# Allegro board REF_038HX-888005K4R-A100.brd (continued)
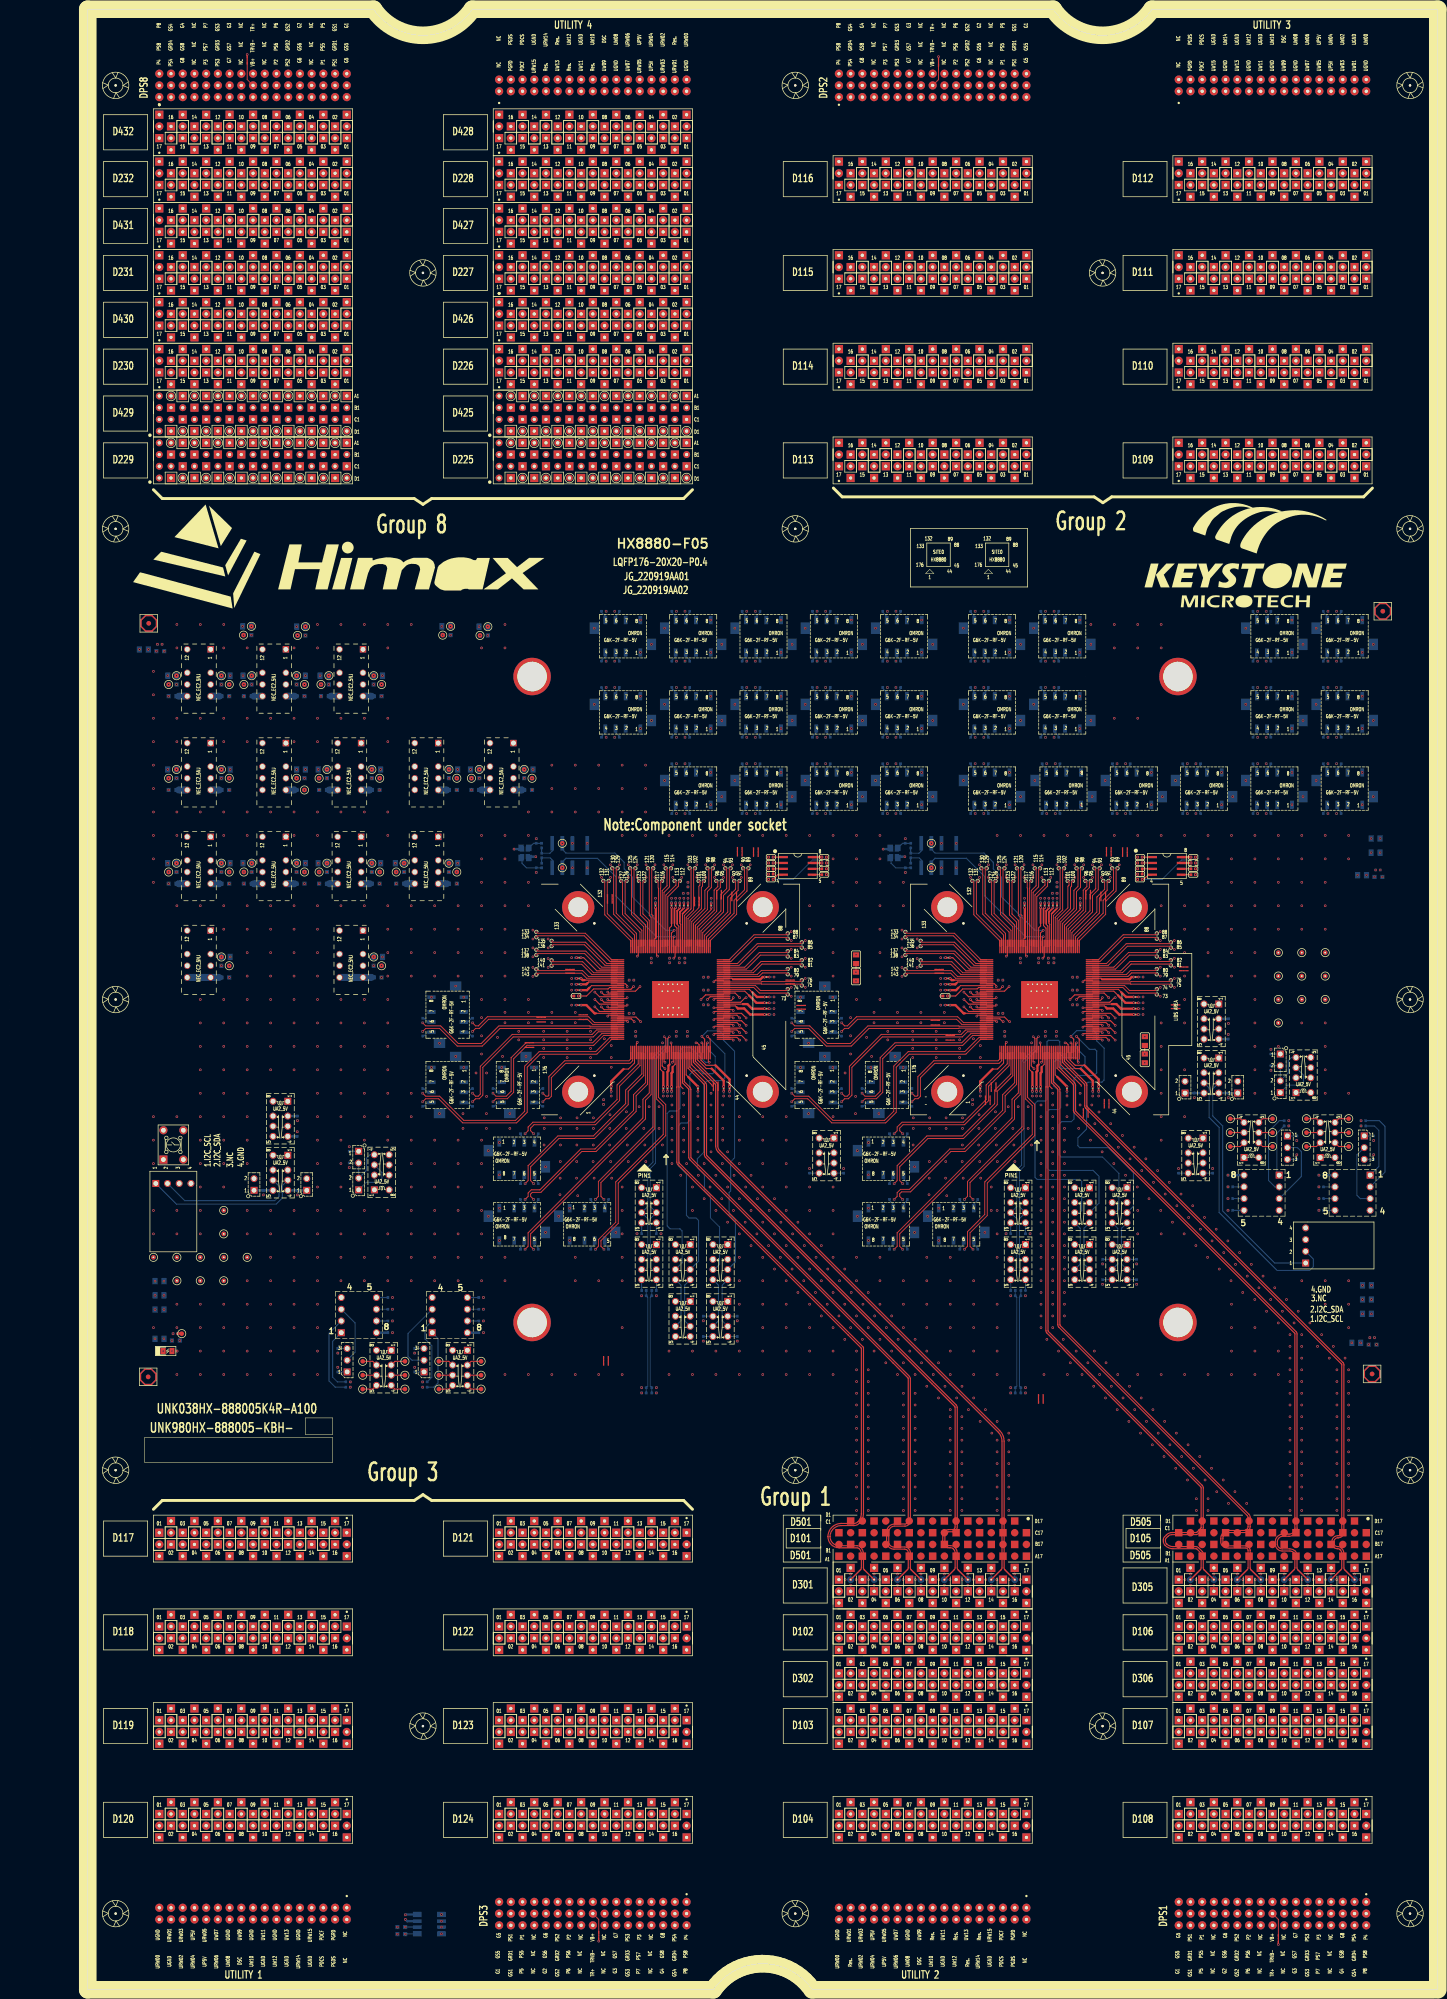
[diagram p0: board, top side]
## Routing (per net, layer and track width the routed paths; a pad name or vN(x,y) marks a point on that pad's centre or on a via; arc(x,y) is an arc through that point) (continued)
D11214: length 268.7
  TOP w0.203: v2(177.25,229.28) 177.55,228.98 187.86,228.98 193.61,223.23 SITE2.133
  L03_SIGNAL w0.135: 242.13,389.18 242.13,385.04 238.44,381.35 235.18,381.35 231.52,377.7 231.52,351.88 220.7,341.06 220.7,329.2 193.5,302.01 193.5,299.04
  L03_SIGNAL w0.145: 242.13,389.18 D112.14 ; 193.5,299.04 193.77,298.77 v2(194.23,298.77)
  L20_SIGNAL w0.135: 176.88,228.91 176.14,228.91 175.72,229.33 175.72,231.67 175.85,231.8 176.04,231.8 176.21,231.64 176.4,231.64 176.59,231.83 176.59,232.02 176.43,232.19 176.43,232.37 176.62,232.57 176.81,232.57 176.97,232.4 177.16,232.4 177.36,232.59 177.36,232.78 177.19,232.95 177.19,233.14 186.82,242.77 186.82,251.17 198.41,262.76 198.41,265.76 203.13,270.48 203.13,272.61 206.27,275.75 214.02,275.75 217.02,278.75 217.02,280.63 221.56,285.17 221.56,286.45 220.94,287.07 219.19,287.07 210.93,278.81 207.18,278.81 205.99,280.01 205.99,292.34 202.91,295.41 194.96,295.41 193.5,296.87 193.5,298.5
  L20_SIGNAL w0.145: v2(194.23,298.77) 193.77,298.77 193.5,298.5 ; v2(177.25,229.28) 176.88,228.91
D11215: length 268.7
  TOP w0.203: SITE2.141 189.29,220.03 187.06,222.26 180.84,222.26 v2(180.55,221.97)
  L05_SIGNAL w0.135: 244.3,395.66 244.3,397.14 242.69,398.75 234.46,398.75 214.15,378.44 214.15,318.29 197.59,301.73 197.59,255.76 195.15,253.31 193.6,253.31 193.09,253.82 193.09,254.67
  L05_SIGNAL w0.145: 193.09,254.67 192.83,254.94 v2(192.37,254.94) ; D112.15 242.76,394.89 243.53,394.89 244.3,395.66
  L22_SIGNAL w0.135: 180.18,222.33 179.3,222.33 178.99,222.03 178.99,220.23 181.28,217.94 181.28,213.66 180.47,212.85 175.74,212.85 174.7,213.89 174.7,234.52 181.32,241.15 181.32,250.11 184.39,253.17 191.98,253.17 193.09,254.29 193.09,254.67
  L22_SIGNAL w0.145: v2(180.55,221.97) 180.18,222.33 ; 193.09,254.67 192.83,254.94 v2(192.37,254.94)
D11216: length 268.7
  TOP w0.203: v2(177.25,228.13) 177.55,228.43 187.63,228.43 193.24,222.83 SITE2.134
  L03_SIGNAL w0.135: 193.09,299.04 193.09,302.18 220.29,329.37 220.29,341.23 231.11,352.05 231.11,377.86 235.01,381.76 238.27,381.76 241.72,385.21 241.72,389.29
  L03_SIGNAL w0.145: 241.72,389.29 241.03,389.98 240.21,389.98 D112.16 ; 193.09,299.04 192.83,298.77 v2(192.37,298.77)
  L20_SIGNAL w0.135: 176.88,228.5 175.97,228.5 175.31,229.16 175.31,231.84 186.41,242.93 186.41,251.34 198,262.93 198,265.93 202.72,270.65 202.72,272.78 206.1,276.16 213.85,276.16 216.61,278.92 216.61,280.8 221.15,285.34 221.15,286.28 220.77,286.66 219.36,286.66 211.1,278.41 207.01,278.41 205.58,279.84 205.58,292.17 202.74,295 194.79,295 193.09,296.7 193.09,298.5
  L20_SIGNAL w0.145: v2(177.25,228.13) 176.88,228.5 ; v2(192.37,298.77) 192.83,298.77 193.09,298.5
D11301: length 268.7
  TOP w0.203: v2(154.78,222.02) 154.48,222.32 146.16,222.32 144.27,220.43 SITE1.81
  L05_SIGNAL w0.135: 174.46,265.48 174.46,265.1 174.73,264.83 175.54,264.83 178.73,268.02 178.73,297.22 205.86,324.35 205.86,337.97 205.37,338.45 202.93,338.45 201.35,336.87 201.35,334.86
  L05_SIGNAL w0.145: 174.46,265.48 174.73,265.75 v2(175.19,265.75) ; D113.01 201.35,334.86
  L20_SIGNAL w0.135: 155.15,222.39 157.88,222.39 158.61,221.65 158.61,220.93 158.48,220.8 158.01,220.8 157.87,220.66 157.87,220.4 158.01,220.26 158.48,220.26 158.61,220.13 158.61,219.86 158.48,219.72 158.01,219.72 157.87,219.59 157.87,219.32 158.01,219.18 158.48,219.18 158.61,219.05 158.61,207.75 160.09,206.27 164.04,206.27 165.03,207.25 165.03,209.98 164.09,210.92 164.09,221.42 162.76,222.75 162.76,249.94 169.76,256.94 169.76,269.77 173.11,273.12 173.11,275.97 174.49,277.36 180,277.36 182.52,279.88 184.63,279.88 185.47,279.04 185.47,274.19 180.29,269.01 173.11,269.01 171.57,267.47 171.57,261.25 172.25,260.57 173.56,260.57 174.46,261.48 174.46,265.48
  L20_SIGNAL w0.145: v2(154.78,222.02) 155.15,222.39 ; 174.46,265.48 174.73,265.75 v2(175.19,265.75)
D11302: length 268.7
  TOP w0.203: SITE1.89 134.92,227.38 140.65,233.11 140.65,235.9 142.91,238.16 142.91,242.77 v2(143.2,243.07)
  L03_SIGNAL w0.135: 198.95,328.22 198.95,326.8 191.54,319.39 184.77,319.39 165.35,299.96 159.77,299.96 159.22,299.42 159.22,299.04
  L03_SIGNAL w0.145: v2(159.95,298.77) 159.49,298.77 159.22,299.04 ; 198.95,328.22 D113.02
  L20_SIGNAL w0.135: 142.84,243.43 142.84,244.15 143.58,244.89 143.77,244.89 143.95,244.72 144.14,244.72 144.33,244.91 144.33,245.1 144.15,245.27 144.15,245.46 150.44,251.75 156.08,251.75 157.01,252.68 157.01,261.33 157.5,261.82 158.95,261.82 159.54,261.24 159.54,257.92 160.01,257.44 161.41,257.44 161.96,258 161.96,291.17 162.45,291.66 163.45,291.66 163.85,291.26 163.85,275.58 164.74,274.69 166.44,274.69 166.97,275.22 166.97,292.58 171.84,297.45 171.84,299.92 173.03,301.11 176.96,301.11 178.22,299.85 178.22,288.96 179.44,287.74 182.37,287.74 184.37,289.75 184.37,302.09 182.83,303.63 169.69,303.63 169.12,303.06 169.12,298.99 165.89,295.76 159.69,295.76 159.22,296.22 159.22,298.5
  L20_SIGNAL w0.145: 159.22,298.5 159.49,298.77 v2(159.95,298.77) ; v2(143.2,243.07) 142.84,243.43
D11303: length 268.7
  TOP w0.203: SITE1.82 143.9,220.83 145.93,222.87 154.48,222.87 v2(154.78,223.16)
  L05_SIGNAL w0.135: 200.94,335.2 200.94,337.04 202.76,338.86 205.54,338.86 206.27,338.14 206.27,324.18 179.14,297.06 179.14,267.85 175.71,264.42 174.56,264.42 174.05,264.93 174.05,265.48
  L05_SIGNAL w0.145: v2(173.33,265.75) 173.79,265.75 174.05,265.48 ; D113.03 198.48,332.74 200.94,335.2
  L20_SIGNAL w0.135: 174.05,265.48 174.05,261.64 173.39,260.98 172.42,260.98 171.98,261.42 171.98,267.3 173.28,268.6 180.46,268.6 185.88,274.02 185.88,279.21 184.8,280.29 182.35,280.29 179.83,277.77 174.32,277.77 172.7,276.14 172.7,273.29 169.35,269.94 169.35,257.11 162.35,250.11 162.35,222.58 163.68,221.25 163.68,210.75 164.62,209.82 164.62,207.42 163.87,206.68 160.26,206.68 159.02,207.92 159.02,221.82 158.05,222.8 155.15,222.8
  L20_SIGNAL w0.145: 174.05,265.48 173.79,265.75 v2(173.33,265.75) ; v2(154.78,223.16) 155.15,222.8
D11304: length 268.7
  TOP w0.203: SITE1.90 134.52,227.76 140.1,233.34 140.1,236.13 142.36,238.39 142.36,242.77 v2(142.06,243.07)
  L03_SIGNAL w0.135: 158.81,299.04 158.81,299.59 159.6,300.37 165.18,300.37 184.6,319.8 191.37,319.8 198.54,326.97 198.54,328.33
  L03_SIGNAL w0.145: 158.81,299.04 158.55,298.77 v2(158.09,298.77) ; 198.54,328.33 197.85,329.03 197.02,329.03 D113.04
  L20_SIGNAL w0.135: 158.81,298.5 158.81,296.05 159.52,295.35 166.06,295.35 169.53,298.82 169.53,302.89 169.86,303.22 182.66,303.22 183.97,301.92 183.97,289.92 182.2,288.15 179.61,288.15 178.63,289.13 178.63,300.02 177.13,301.52 172.86,301.52 171.43,300.09 171.43,297.62 166.56,292.75 166.56,275.39 166.27,275.1 164.91,275.1 164.26,275.75 164.26,291.43 163.62,292.07 162.28,292.07 161.55,291.34 161.55,258.17 161.24,257.85 160.18,257.85 159.95,258.09 159.95,261.41 159.12,262.23 157.33,262.23 156.6,261.5 156.6,252.85 155.91,252.16 150.27,252.16 142.43,244.31 142.43,243.43
  L20_SIGNAL w0.145: v2(158.09,298.77) 158.55,298.77 158.81,298.5 ; v2(142.06,243.07) 142.43,243.43
D11305: length 268.7
  TOP w0.203: SITE1.79 145.5,219.63 146.26,220.39 151.44,220.39 v2(151.73,220.09)
  L05_SIGNAL w0.135: 174.46,254.67 174.46,254.29 174.73,254.02 175.87,254.02 186.59,264.74 186.59,300.89 208.31,322.61 208.31,341.25 207.13,342.42 193.53,342.42 191.07,339.96 191.07,334.98
  L05_SIGNAL w0.145: 174.46,254.67 174.73,254.94 v2(175.19,254.94) ; D113.05 191.07,334.98
  L22_SIGNAL w0.135: 174.46,254.67 174.46,253.93 174.84,253.55 176.06,253.55 176.83,254.32 176.83,257.71 182.29,263.17 182.29,265.35 179.21,268.44 179.21,278.23 180.19,279.22 184.17,279.22 185.08,278.32 185.08,258.95 177.18,251.05 170.73,251.05 168.12,248.44 168.12,223.88 164.69,220.46 159.29,220.46 159.15,220.32 159.15,220.05 159.02,219.91 158.75,219.91 158.61,220.05 158.61,220.32 158.48,220.46 158.21,220.46 158.08,220.32 158.08,220.05 157.94,219.91 157.67,219.91 157.54,220.05 157.54,220.32 157.4,220.46 157.13,220.46 157,220.32 157,220.05 156.86,219.91 156.59,219.91 156.46,220.05 156.46,220.32 156.33,220.46 152.1,220.46
  L22_SIGNAL w0.145: v2(175.19,254.94) 174.73,254.94 174.46,254.67 ; 152.1,220.46 v2(151.73,220.09)
D11306: length 268.7
  TOP w0.203: v2(151.73,227.81) 151.44,228.1 144.66,228.1 139.39,222.83 SITE1.87
  L03_SIGNAL w0.135: 188.79,328.22 188.79,326.86 185.9,323.97 180.9,323.97 157.06,300.13 157.06,292.79 159.22,290.63 159.22,288.23
  L03_SIGNAL w0.145: v2(159.95,287.96) 159.49,287.96 159.22,288.23 ; 188.79,328.22 D113.06
  L22_SIGNAL w0.135: 159.22,287.69 159.22,286.82 159.49,286.55 160.59,286.55 161.01,286.96 161.01,322.84 161.71,323.55 163.55,323.55 164.07,323.03 164.07,303.31 164.65,302.73 165.66,302.73 166.16,303.23 166.16,322.88 166.82,323.55 168.59,323.55 169.32,322.81 169.32,288.33 164.11,283.11 164.11,254.39 158.27,248.55 158.27,233.42 154.1,229.25 154.1,228.97 153.86,228.73 153.58,228.73 153.03,228.17 152.1,228.17
  L22_SIGNAL w0.145: v2(159.95,287.96) 159.49,287.96 159.22,287.69 ; 152.1,228.17 v2(151.73,227.81)
D11307: length 268.7
  TOP w0.203: v2(151.73,221.23) 151.44,220.94 146.03,220.94 145.12,220.03 SITE1.80
  L05_SIGNAL w0.135: 174.06,254.67 174.06,254.12 174.56,253.61 176.03,253.61 187,264.57 187,300.72 208.72,322.44 208.72,341.42 207.3,342.83 193.36,342.83 190.66,340.13 190.66,334.91
  L05_SIGNAL w0.145: 190.66,334.91 190.04,334.29 189.78,334.29 D113.07 ; 174.06,254.67 173.79,254.94 v2(173.33,254.94)
  L22_SIGNAL w0.135: 152.1,220.87 164.52,220.87 167.71,224.05 167.71,248.61 170.56,251.46 177.01,251.46 184.67,259.12 184.67,278.15 184,278.82 180.36,278.82 179.61,278.06 179.61,268.61 182.7,265.52 182.7,263 177.24,257.54 177.24,254.15 176.23,253.14 174.68,253.14 174.06,253.76 174.06,254.67
  L22_SIGNAL w0.145: v2(173.33,254.94) 173.79,254.94 174.06,254.67 ; 152.1,220.87 v2(151.73,221.23)
D11308: length 268.7
  TOP w0.203: SITE1.88 139.01,223.23 144.44,228.65 151.44,228.65 v2(151.73,228.95)
  L03_SIGNAL w0.135: 158.82,288.23 158.82,290.46 156.65,292.62 156.65,300.3 180.73,324.38 185.73,324.38 188.38,327.03 188.38,328.33
  L03_SIGNAL w0.145: 188.38,328.33 187.69,329.03 186.86,329.03 D113.08 ; v2(158.09,287.96) 158.55,287.96 158.82,288.23
  L22_SIGNAL w0.135: 152.1,228.58 152.86,228.58 157.86,233.59 157.86,248.72 163.7,254.56 163.7,283.28 168.92,288.5 168.92,322.64 168.42,323.14 166.99,323.14 166.57,322.71 166.57,303.06 165.83,302.32 164.48,302.32 163.66,303.14 163.66,322.86 163.38,323.14 161.88,323.14 161.42,322.67 161.42,286.79 160.76,286.14 159.32,286.14 158.82,286.65 158.82,287.69
  L22_SIGNAL w0.145: v2(158.09,287.96) 158.55,287.96 158.82,287.69 ; 152.1,228.58 v2(151.73,228.95)
D11309: length 268.7
  TOP w0.203: SITE1.91 134.12,228.2 139.28,233.36 139.28,236.6 140.98,238.29 140.98,240.03 v2(141.27,240.33)
  L05_SIGNAL w0.135: 159.22,254.67 159.22,254.29 159.7,253.81 161.33,253.81 163.54,256.02 163.54,320.07 158.11,325.5 158.11,339.17 160.65,341.71 178.33,341.71 181.2,338.84 181.2,334.69
  L05_SIGNAL w0.145: v2(159.95,254.94) 159.49,254.94 159.22,254.67 ; D113.09 181.2,334.69
  L22_SIGNAL w0.135: 159.22,254.67 159.22,253.19 158.51,252.47 157.45,252.47 156.66,253.26 156.66,263.83 155.03,265.46 155.03,273.86 156.14,274.96 156.14,276.21 154.19,278.17 154.19,284.53 153.68,285.04 152.52,285.04 151.92,284.44 151.92,277.97 153.73,276.16 153.73,261.08 155.39,259.43 155.39,233.77 154.47,232.85 152.64,232.85 151.95,233.54 151.95,245.87 151.05,246.77 147.33,246.77 146.16,245.59 146.16,242.9 145.13,241.87 143.15,241.87 143.01,241.73 143.01,241.49 142.88,241.35 142.61,241.35 142.47,241.49 142.47,241.73 142.34,241.87 141.18,241.87 140.91,241.6 140.91,240.7
  L22_SIGNAL w0.145: 159.22,254.67 159.49,254.94 v2(159.95,254.94) ; 140.91,240.7 v2(141.27,240.33)
D11310: length 268.7
  TOP w0.203: SITE1.98 131.32,231.12 134.32,234.11 134.32,238.04 135.19,238.91 135.19,242.77 v2(135.49,243.07)
  L03_SIGNAL w0.135: 159.22,282.53 159.22,283.85 154.39,288.68 154.39,301.43 178.63,325.67 178.63,328.22
  L03_SIGNAL w0.145: 178.63,328.22 D113.10 ; v2(159.95,282.26) 159.49,282.26 159.22,282.53
  L20_SIGNAL w0.135: 135.12,243.43 135.12,244.49 135.25,244.63 135.5,244.63 135.64,244.76 135.64,245.03 135.5,245.17 135.25,245.17 135.12,245.3 135.12,246.12 141.58,252.59 141.58,256.72 148.95,264.08 148.95,293.41 152.51,296.98 152.51,303.06 152.98,303.53 161.68,303.53 165.33,307.18 165.33,319.78 165.69,320.15 167.02,320.15 167.44,319.72 167.44,311.58 168.15,310.88 169.33,310.88 169.91,311.45 169.91,319.79 170.31,320.19 171.69,320.19 172.02,319.86 172.02,309.48 163.11,300.57 157.57,300.57 156.32,299.33 156.32,273.43 157.03,272.72 158.69,272.72 159.22,273.25 159.22,281.99
  L20_SIGNAL w0.145: v2(135.49,243.07) 135.12,243.43 ; v2(159.95,282.26) 159.49,282.26 159.22,281.99
D11311: length 268.7
  TOP w0.203: v2(140.13,240.33) 140.43,240.03 140.43,238.52 138.73,236.83 138.73,233.59 133.72,228.57 SITE1.92
  L05_SIGNAL w0.135: 180.79,334.67 180.79,338.67 178.16,341.3 160.82,341.3 158.52,339 158.52,325.67 163.95,320.24 163.95,255.85 161.5,253.4 159.53,253.4 158.82,254.12 158.82,254.67
  L05_SIGNAL w0.145: v2(158.09,254.94) 158.55,254.94 158.82,254.67 ; D113.11 179.45,334.12 180.23,334.12 180.79,334.67
  L22_SIGNAL w0.135: 140.5,240.7 140.5,241.77 141.01,242.28 144.96,242.28 145.75,243.07 145.75,245.76 147.16,247.17 151.22,247.17 152.36,246.04 152.36,233.71 152.81,233.26 154.3,233.26 154.98,233.94 154.98,259.26 153.32,260.92 153.32,275.99 151.51,277.8 151.51,284.61 152.35,285.45 153.85,285.45 154.59,284.7 154.59,278.34 156.55,276.38 156.55,274.79 155.44,273.69 155.44,265.63 157.07,264 157.07,253.43 157.62,252.88 158.34,252.88 158.82,253.36 158.82,254.67
  L22_SIGNAL w0.145: v2(158.09,254.94) 158.55,254.94 158.82,254.67 ; 140.5,240.7 v2(140.13,240.33)
D11312: length 268.7
  TOP w0.203: v2(134.34,243.07) 134.64,242.77 134.64,239.13 133.77,238.26 133.77,234.34 130.92,231.49 SITE1.99
  L03_SIGNAL w0.135: 178.22,328.33 178.22,325.84 153.98,301.6 153.98,288.52 158.81,283.68 158.81,282.53
  L03_SIGNAL w0.145: 158.81,282.53 158.55,282.26 v2(158.09,282.26) ; D113.12 176.7,329.03 177.53,329.03 178.22,328.33
  L20_SIGNAL w0.135: 134.71,243.43 134.71,246.29 141.17,252.76 141.17,256.89 148.54,264.25 148.54,293.58 152.1,297.14 152.1,303.23 152.81,303.94 161.51,303.94 164.92,307.35 164.92,319.95 165.52,320.55 167.19,320.55 167.85,319.89 167.85,311.75 168.32,311.28 169.16,311.28 169.5,311.62 169.5,319.95 170.14,320.6 171.86,320.6 172.43,320.03 172.43,309.31 163.27,300.16 157.74,300.16 156.73,299.16 156.73,273.6 157.2,273.13 158.52,273.13 158.81,273.42 158.81,281.99
  L20_SIGNAL w0.145: v2(158.09,282.26) 158.55,282.26 158.81,281.99 ; v2(134.34,243.07) 134.71,243.43
D11313: length 268.7
  TOP w0.203: SITE1.73 144.38,217.23 145.58,216.03 151.44,216.03 v2(151.73,215.73)
  L05_SIGNAL w0.135: 174.46,271.18 174.46,270.63 173.68,269.84 172.7,269.84 171.79,270.74 171.79,279.32 171.31,279.81 171.31,316.44 160.13,327.62 160.13,336.25 161.42,337.54 170.71,337.54 171.89,336.35 171.89,333.84
  L05_SIGNAL w0.145: 174.46,271.18 174.73,271.45 v2(175.19,271.45) ; D113.13 171.89,333.84
  L22_SIGNAL w0.135: 152.1,216.1 155.69,216.1 155.83,215.96 155.83,215.49 155.96,215.36 156.23,215.36 156.37,215.49 156.37,215.96 156.5,216.1 156.77,216.1 156.91,215.96 156.91,215.49 157.04,215.36 157.31,215.36 157.44,215.49 157.44,215.96 157.58,216.1 160.37,216.1 161.27,217 164.61,217 164.98,216.62 164.98,212.3 166.81,210.47 166.81,196.61 167.51,195.91 171.08,195.91 171.76,196.59 171.76,212.84 170.41,214.18 170.41,232.09 179.66,241.34 179.66,250.66 187.9,258.89 187.9,281.08 186.76,282.21 178.68,282.21 176.99,280.52 176.99,270.03 176.62,269.67 174.83,269.67 174.46,270.04 174.46,271.18
  L22_SIGNAL w0.145: 174.46,271.18 174.73,271.45 v2(175.19,271.45) ; 152.1,216.1 v2(151.73,215.73)
D11314: length 268.7
  TOP w0.203: SITE1.120 122.52,232.83 122.26,233.08 122.26,242.77 v2(122.56,243.07)
  L03_SIGNAL w0.135: v2(144.71,282.26) 144.25,282.26 143.98,282.53 143.98,283.59 148.77,288.37 148.77,301.51 168.39,321.13 168.39,328.14
  L03_SIGNAL w0.145: D113.14 168.39,328.14
  L20_SIGNAL w0.135: 143.98,281.99 143.98,274.31 141.46,271.79 141.46,268.16 140.82,267.52 139.33,267.52 138.57,268.27 138.57,273.76 141.32,276.51 141.32,280.13 138.91,282.54 138.91,297.64 143.87,302.6 143.87,311.17 143.61,311.42 142.5,311.42 142.04,310.97 142.04,303.11 141.12,302.19 139.54,302.19 138.91,302.81 138.91,310.95 138.49,311.37 137.03,311.37 136.55,310.89 136.55,301 136,300.46 134.43,300.46 133.8,301.09 133.8,311.04 133.46,311.38 131.95,311.38 131.3,310.73 131.3,254.74 129.12,252.55 124.2,252.55 122.19,250.55 122.19,246.76 122.33,246.62 122.4,246.62 122.53,246.49 122.53,246.22 122.4,246.08 122.33,246.08 122.19,245.95 122.19,245.68 122.33,245.55 122.4,245.55 122.53,245.41 122.53,245.14 122.4,245.01 122.33,245.01 122.19,244.87 122.19,243.43
  L20_SIGNAL w0.145: 143.98,281.99 144.25,282.26 v2(144.71,282.26) ; v2(122.56,243.07) 122.19,243.43
D11315: length 268.7
  TOP w0.203: SITE1.74 144.75,217.63 145.81,216.58 151.44,216.58 v2(151.73,216.87)
  L05_SIGNAL w0.135: 174.06,271.18 174.06,270.8 173.51,270.25 172.87,270.25 172.2,270.91 172.2,279.49 171.72,279.98 171.72,316.61 160.54,327.79 160.54,336.08 161.59,337.13 170.54,337.13 171.48,336.18 171.48,334.04
  L05_SIGNAL w0.145: v2(173.33,271.45) 173.79,271.45 174.06,271.18 ; D113.15 167.65,332.48 166.75,332.48 166.59,332.64 166.59,333.6 166.8,333.81 171.26,333.81 171.48,334.04
  L22_SIGNAL w0.135: 152.1,216.51 160.2,216.51 161.1,217.4 164.78,217.4 165.39,216.79 165.39,212.47 167.22,210.64 167.22,196.78 167.68,196.32 170.91,196.32 171.35,196.76 171.35,212.67 170,214.01 170,232.26 179.25,241.51 179.25,250.83 187.49,259.06 187.49,280.91 186.6,281.8 178.84,281.8 177.4,280.36 177.4,269.86 176.79,269.26 174.66,269.26 174.06,269.87 174.06,271.18
  L22_SIGNAL w0.145: v2(173.33,271.45) 173.79,271.45 174.06,271.18 ; 152.1,216.51 v2(151.73,216.87)
D11316: length 268.7
  TOP w0.203: v2(121.42,243.07) 121.72,242.77 121.72,232.85 122.12,232.45 SITE1.121
  L03_SIGNAL w0.135: 167.98,328.32 167.98,321.3 148.36,301.68 148.36,288.54 143.57,283.76 143.57,282.53 143.31,282.26 v2(142.85,282.26)
  L03_SIGNAL w0.145: D113.16 166.54,329.03 167.27,329.03 167.98,328.32
  L20_SIGNAL w0.135: 143.57,281.99 143.57,274.48 141.05,271.96 141.05,268.33 140.65,267.93 139.5,267.93 138.98,268.44 138.98,273.59 141.73,276.34 141.73,280.3 139.32,282.71 139.32,297.47 144.28,302.43 144.28,311.34 143.78,311.83 142.33,311.83 141.63,311.14 141.63,303.28 140.95,302.6 139.71,302.6 139.32,302.98 139.32,311.12 138.66,311.78 136.86,311.78 136.14,311.06 136.14,301.17 135.83,300.87 134.6,300.87 134.21,301.26 134.21,311.21 133.63,311.79 131.78,311.79 130.89,310.9 130.89,254.91 128.95,252.96 124.03,252.96 121.79,250.72 121.79,243.43
  L20_SIGNAL w0.145: 143.57,281.99 143.31,282.26 v2(142.85,282.26) ; v2(121.42,243.07) 121.79,243.43
D11401: length 268.7
  TOP w0.203: v2(124.49,240.33) 124.19,240.03 124.19,238.82 124.12,238.74 SITE1.116
  L05_SIGNAL w0.135: 201.88,354.65 201.88,359.25 194.44,366.68 154.54,366.68 147.77,359.91 147.77,324.28 141.08,317.6 141.08,271.2 142.04,270.24 143.5,270.24 143.98,270.72 143.98,271.18
  L05_SIGNAL w0.145: v2(144.71,271.45) 144.25,271.45 143.98,271.18 ; D114.01 201.88,354.65
  L22_SIGNAL w0.135: 143.98,271.18 143.98,270.12 143.31,269.45 141.93,269.45 140.5,270.88 140.5,276.64 135.61,281.53 132.18,281.53 131.06,280.42 125.4,280.42 124,279.01 124,274.98 125.05,273.93 131.79,273.93 132.88,272.84 132.88,269.28 131.03,267.43 126.97,267.43 126.23,266.69 126.23,264.73 126.93,264.03 128.58,264.03 132.88,259.72 132.88,252.92 124.12,244.15 124.12,242.39 124.26,242.25 124.51,242.25 124.64,242.12 124.64,241.85 124.51,241.72 124.26,241.72 124.12,241.58 124.12,240.7
  L22_SIGNAL w0.145: 143.98,271.18 144.25,271.45 v2(144.71,271.45) ; 124.12,240.7 v2(124.49,240.33)
D11402: length 268.7
  TOP w0.203: v2(131.63,243.07) 131.33,242.77 131.33,234.05 129.72,232.44 SITE1.102
  L03_SIGNAL w0.135: 198.98,348.57 198.98,342.36 194.15,337.53 152.35,337.53 148.18,333.35 148.18,324.11 143.98,319.92 143.98,299.04
  L03_SIGNAL w0.145: 143.98,299.04 144.25,298.77 v2(144.71,298.77) ; 198.98,348.57 D114.02
  L20_SIGNAL w0.135: 131.26,243.43 131.26,244.74 131.39,244.87 131.64,244.87 131.78,245.01 131.78,245.27 131.64,245.41 131.39,245.41 131.26,245.54 131.26,247.2 138.05,253.99 138.05,256.38 146.7,265.03 146.7,295.02 149.64,297.96 149.64,304.89 150.45,305.7 160.13,305.7 163.03,308.6 163.03,324.67 161.53,326.17 147.42,326.17 146.07,324.82 146.07,298.04 145.23,297.19 144.35,297.19 143.98,297.56 143.98,298.5
  L20_SIGNAL w0.145: v2(131.63,243.07) 131.26,243.43 ; 143.98,298.5 144.25,298.77 v2(144.71,298.77)
D11403: length 268.7
  TOP w0.203: v2(123.35,240.33) 123.65,240.03 123.65,238.81 123.72,238.74 SITE1.117
  L05_SIGNAL w0.135: 201.47,354.72 201.47,359.08 194.27,366.27 154.71,366.27 148.18,359.74 148.18,324.11 141.49,317.43 141.49,271.36 142.21,270.65 143.33,270.65 143.58,270.89 143.58,271.18
  L05_SIGNAL w0.145: D114.03 197.8,353.06 197.59,353.27 197.59,353.92 197.95,354.28 201.03,354.28 201.47,354.72 ; 143.58,271.18 143.31,271.45 v2(142.85,271.45)
  L22_SIGNAL w0.135: 123.72,240.7 123.72,244.32 132.48,253.08 132.48,259.55 128.41,263.62 126.76,263.62 125.82,264.56 125.82,266.86 126.8,267.84 130.87,267.84 132.48,269.45 132.48,272.67 131.63,273.52 124.88,273.52 123.59,274.81 123.59,279.18 125.23,280.83 130.89,280.83 132.01,281.94 135.78,281.94 140.91,276.81 140.91,271.05 142.1,269.86 143.14,269.86 143.58,270.29 143.58,271.18
  L22_SIGNAL w0.145: v2(142.85,271.45) 143.31,271.45 143.58,271.18 ; 123.72,240.7 v2(123.35,240.33)
D11404: length 268.7
  TOP w0.203: v2(130.48,243.07) 130.78,242.77 130.78,234.27 129.32,232.81 SITE1.103
  L03_SIGNAL w0.135: 143.57,299.04 143.57,320.09 147.77,324.28 147.77,333.52 152.18,337.94 193.98,337.94 198.57,342.53 198.57,348.59
  L03_SIGNAL w0.145: 198.57,348.59 197.81,349.35 197.02,349.35 D114.04 ; v2(142.85,298.77) 143.31,298.77 143.57,299.04
  L20_SIGNAL w0.135: 130.85,243.43 130.85,247.37 137.64,254.16 137.64,256.55 146.29,265.2 146.29,295.19 149.23,298.13 149.23,305.06 150.28,306.11 159.96,306.11 162.62,308.77 162.62,324.5 161.36,325.76 147.59,325.76 146.48,324.66 146.48,297.87 145.4,296.78 144.18,296.78 143.57,297.39 143.57,298.5
  L20_SIGNAL w0.145: v2(142.85,298.77) 143.31,298.77 143.57,298.5 ; v2(130.48,243.07) 130.85,243.43
D11405: length 268.7
  TOP w0.203: SITE1.112 125.72,236.89 128.05,239.22 128.05,240.03 v2(128.35,240.33)
  L05_SIGNAL w0.135: 191.39,354.98 191.39,357.62 185,364 155.64,364 150.44,358.8 150.44,323.73 146.02,319.3 146.02,310.93 147.22,309.73 147.22,255.74 145.5,254.02 144.25,254.02 143.98,254.29 143.98,254.67
  L05_SIGNAL w0.145: 143.98,254.67 144.25,254.94 v2(144.71,254.94) ; D114.05 191.39,354.98
  L22_SIGNAL w0.135: 143.98,254.67 143.98,254.12 141.95,252.09 139.94,252.09 138.52,253.5 138.52,275.68 136.62,277.57 127.88,277.57 127.47,277.17 127.47,276.49 127.88,276.08 135.02,276.08 136.54,274.57 136.54,252.27 127.98,243.71 127.98,242.51 128.12,242.38 128.36,242.38 128.5,242.24 128.5,241.97 128.36,241.84 128.12,241.84 127.98,241.7 127.98,240.7
  L22_SIGNAL w0.145: 143.98,254.67 144.25,254.94 v2(144.71,254.94) ; 127.98,240.7 v2(128.35,240.33)
D11406: length 268.7
  TOP w0.203: v2(133.56,240.33) 133.26,240.03 133.26,239.19 133.01,238.95 133.01,234.29 130.52,231.79 SITE1.100
  L03_SIGNAL w0.135: 188.8,348.55 188.8,344.27 184.4,339.88 151.38,339.88 145.83,334.33 145.83,324.92 139.23,318.32 139.23,294.42 143.98,289.66 143.98,288.23
  L03_SIGNAL w0.145: 188.8,348.55 D114.06 ; 143.98,288.23 144.25,287.96 v2(144.71,287.96)
  L22_SIGNAL w0.135: 143.98,287.69 143.98,286.71 143.43,286.15 140.75,286.15 138.95,287.95 138.95,303.81 130.25,312.51 119.95,312.51 118.45,311.01 118.45,306.06 119.5,305.01 125.81,305.01 132.19,298.63 132.19,285.61 133.49,284.32 138.28,284.32 147.5,275.09 147.5,253.23 142.15,247.88 136.98,247.88 133.19,244.09 133.19,242.47 133.32,242.33 133.57,242.33 133.71,242.2 133.71,241.93 133.57,241.79 133.32,241.79 133.19,241.66 133.19,240.7
  L22_SIGNAL w0.145: v2(144.71,287.96) 144.25,287.96 143.98,287.69 ; 133.19,240.7 v2(133.56,240.33)
D11407: length 268.7
  TOP w0.203: SITE1.113 125.32,237.26 127.5,239.45 127.5,240.03 v2(127.21,240.33)
  L05_SIGNAL w0.135: 190.98,355.07 190.98,357.45 184.83,363.6 155.81,363.6 150.85,358.63 150.85,323.56 146.43,319.14 146.43,311.1 147.63,309.9 147.63,255.57 145.67,253.61 144.08,253.61 143.58,254.12 143.58,254.67
  L05_SIGNAL w0.145: 190.98,355.07 190.27,354.36 189.53,354.36 D114.07 ; 143.58,254.67 143.31,254.94 v2(142.85,254.94)
  L22_SIGNAL w0.135: 127.57,240.7 127.57,243.88 136.13,252.44 136.13,274.4 134.85,275.67 127.71,275.67 127.06,276.32 127.06,277.34 127.71,277.98 136.79,277.98 138.93,275.85 138.93,253.67 140.1,252.5 141.78,252.5 143.58,254.29 143.58,254.67
  L22_SIGNAL w0.145: v2(142.85,254.94) 143.31,254.94 143.58,254.67 ; 127.57,240.7 v2(127.21,240.33)
D11408: length 268.7
  TOP w0.203: SITE1.101 130.12,232.17 132.46,234.51 132.46,239.18 132.71,239.42 132.71,240.03 v2(132.41,240.33)
  L03_SIGNAL w0.135: 143.58,288.23 143.58,289.49 138.82,294.25 138.82,318.49 145.42,325.09 145.42,334.5 151.21,340.29 184.23,340.29 188.39,344.44 188.39,348.64